# Altium PCB LimeSDR-PCIe_1v3.PcbDoc (part 7 of 10) (continued)
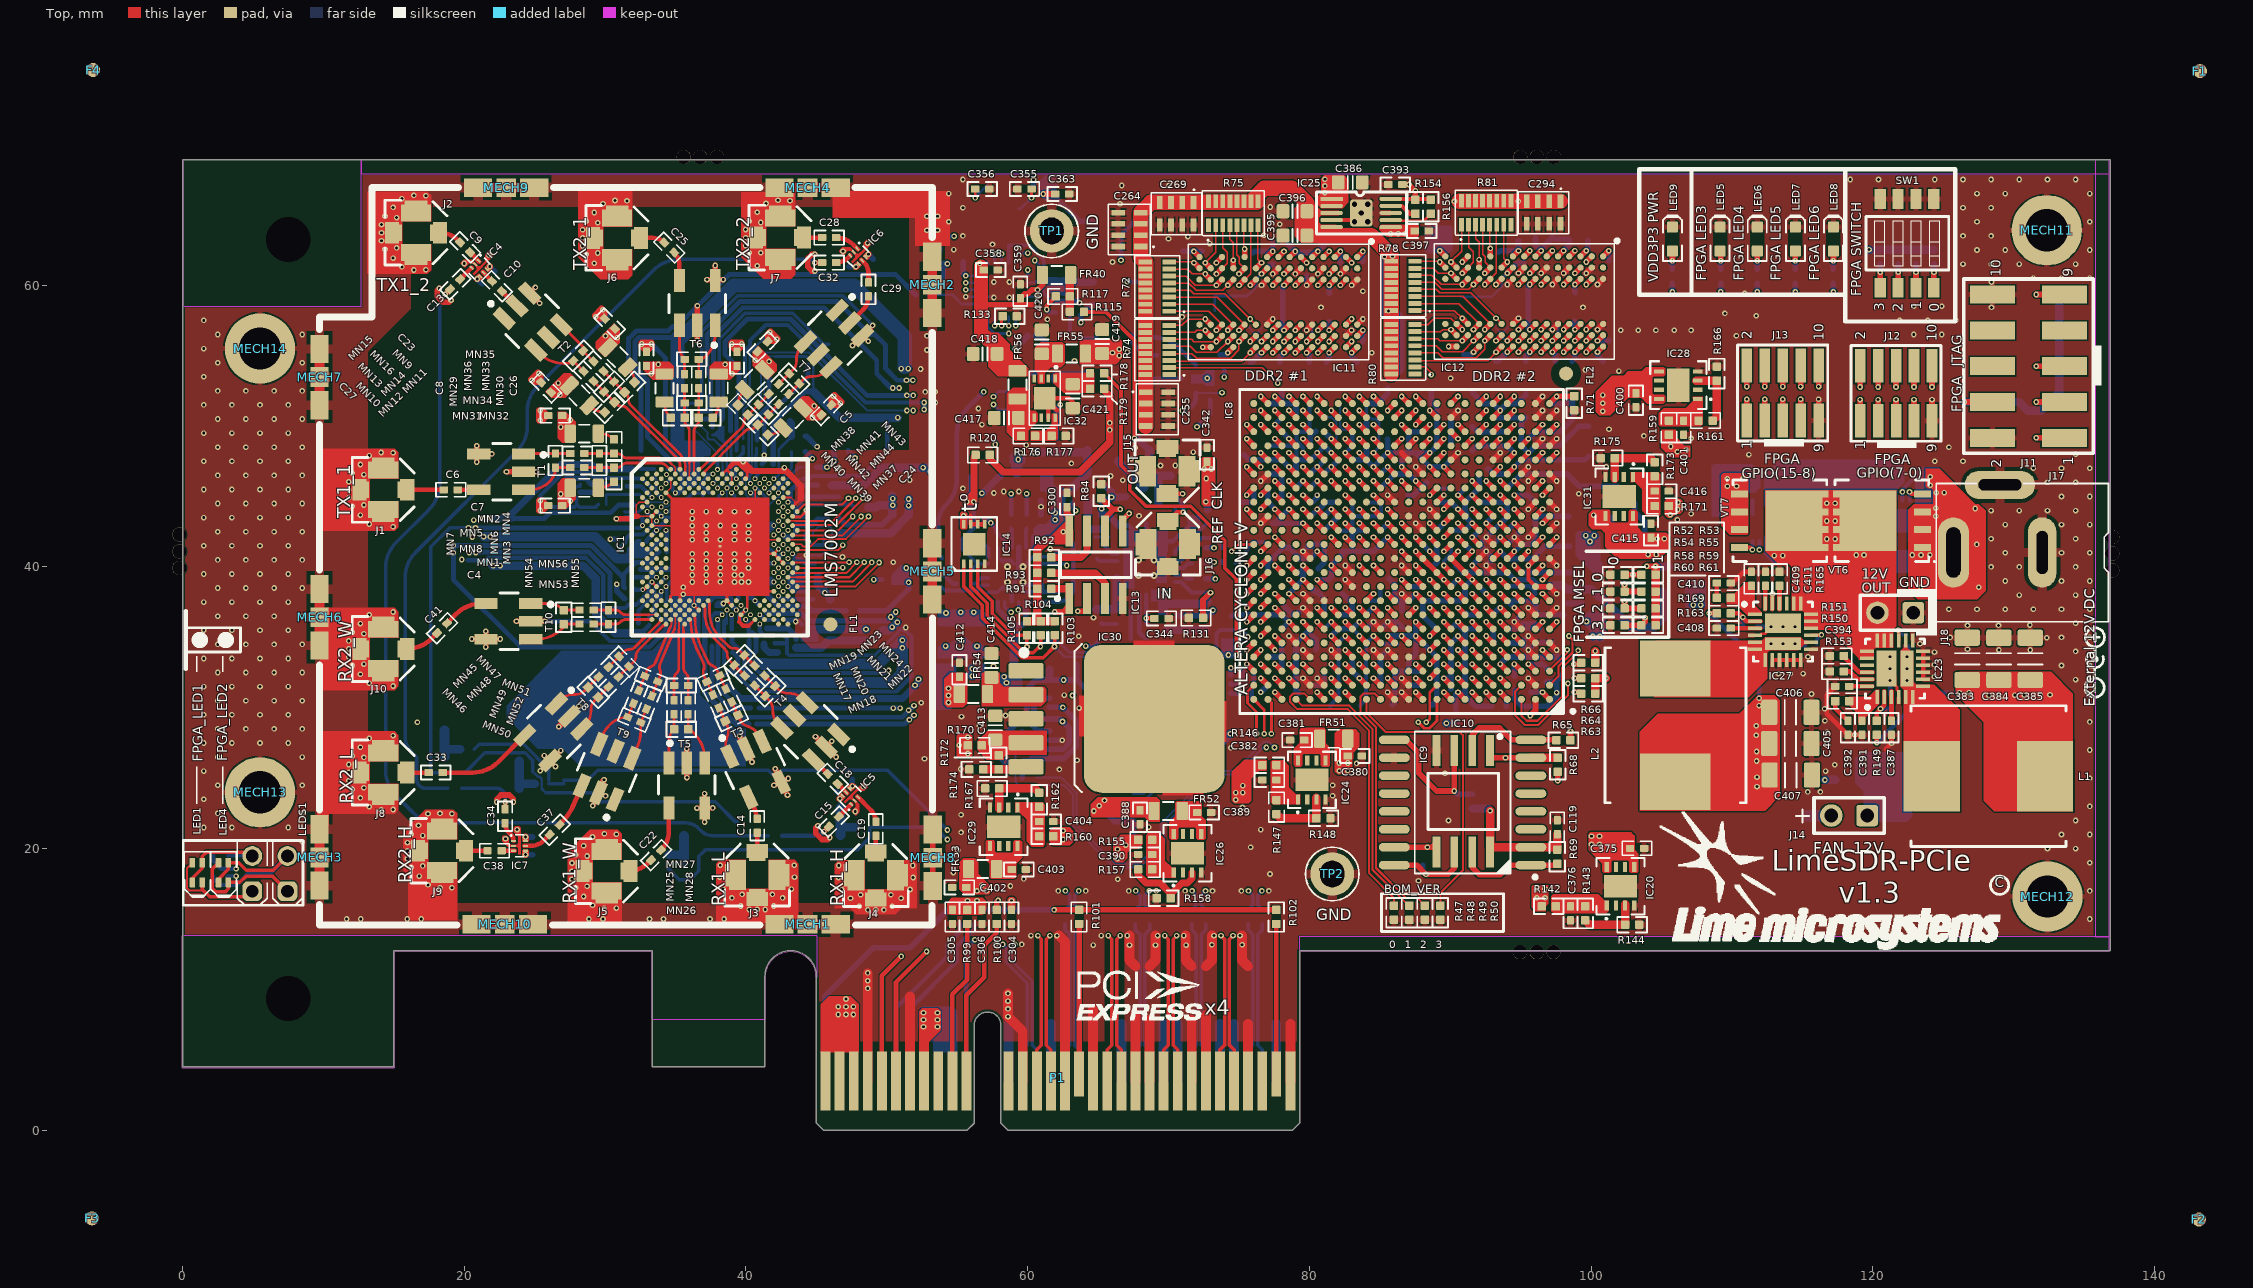
[diagram p0: Top view]
## Nets (pads, with @x,y where several pads share a name; then routed paths per layer and width w, separated by ;. In a path a pad name is that pad's centre, name@x,y a point inside that pad or via, vN(x,y) a via of type N, cw(c..) or ccw(c..) an arc to the next point about the centre after c; other vN are vias at no path point) (continued)
REF_ADF: C337.2 IC16.13 | length 6.5
  Bottom w0.325: IC16.13@60.375,37.537 62.212,37.537 ccw(c62.212,38.575) 63.25,38.575 C337.2@63.25,41.625
REF_CLK_IN: C347.1 J16.1 R109.1 | length 11.8
  Top w0.325: J16.1@70.2,43.225 J16.1@69.95,43.225 70.6,43.875 v1(71.05,43.875)
  L10 w0.1: v1(71.05,43.875) ccw(c69.722,45.203) 71.6,45.203 71.6,46.486 cw(c72.539,46.486) 71.875,47.15 ccw(c71.332,47.693) 72.1,47.693 72.1,49.875 v1(72.025,49.95)
  Bottom w0.325: C347.1@70.4,45.15 70.4,45.125 C347.1@70.626,44.899 ; C347.1@70.626,44.899 cw(c69.601,43.875) v1(71.05,43.875) ; v1(72.025,49.95) 72.95,50.875 R109.1@72.95,51.875
REF_CLK_OUT: IC16.17 R122.2 R126.1 | length 32.4
  L10 w0.1: v1(54.3,61.525) 54.3,48.29 ccw(c56.84,48.29) 56.84,45.75 59.831,45.75 cw(c59.831,44.981) 60.6,44.981 60.6,42.859 cw(c58.104,42.859) 59.869,41.094 ccw(c61.665,39.298) 59.125,39.298 59.125,37.499 cw(c58.101,37.499) v1(58.825,36.775)
  Bottom w0.25: IC16.17@58.375,37.537 58.375,37.151 58.751,36.775 v1(58.825,36.775)
  Bottom w0.325: R126.1@54.025,60.325 54.025,61.25 v1(54.3,61.525)
RXPLL_CLK: C316.2 IC1.AM24 R113.1 | length 24.6
  L10 w0.1: v2(40.313,36.604) 40.784,37.074 cw(c41.691,36.167) 41.691,37.45 47.073,37.45 ccw(c47.073,39.99) 48.869,38.194 50.625,39.95 cw(c52.255,38.32) 52.255,40.625 54.873,40.625 ccw(c54.873,43.165) 56.669,41.369 59.518,44.218 ccw(c58.537,45.2) v1(59.925,45.2)
  Bottom w0.325: R113.1@59.925,43.712 59.925,44.762 v1(59.925,45.2)
RXRF1_HAB_N: IC1.AJ15 MN23.1 MN24.2 | length 6.1
  Top w0.2: IC1.AJ15@37.316,37.603 cw(c37.075,37.361) 37.416,37.361 37.416,36.87 37.416,36.786 ccw(c39.981,36.786) 38.167,34.973 38.767,34.373 ccw(c39.126,34.732) 39.126,34.224 39.172,34.224 cw(c39.172,33.716) 39.531,34.075 MN23.1@39.88,33.727 MN24.2@40.622,32.985
RXRF1_HAB_P: IC1.AK14 MN21.2 MN23.2 | length 6
  Top w0.2: IC1.AK14@36.983,37.27 cw(c36.742,37.028) 37.083,37.028 37.083,36.853 37.083,36.77 ccw(c39.964,36.77) 37.927,34.732 38.527,34.132 cw(c38.168,33.773) 38.676,33.773 38.676,33.727 ccw(c39.184,33.727) 38.824,33.368 MN23.2@39.172,33.02 MN21.2@39.915,32.278
RXRF1_HBB_N: MN22.1 MN24.1 T4.6 | length 3.7
  Top w0.2: MN24.1@41.329,32.278 MN22.1@42.072,31.535 42.097,31.51 42.319,31.288 ccw(c42.942,31.911) 42.942,31.03 43.035,31.03 cw(c43.035,29.506) 44.112,30.583 T4.6@44.32,30.376
RXRF1_HBB_P: MN21.1 MN22.2 T4.4 | length 3.7
  Top w0.2: MN21.1@40.622,31.571 40.905,31.288 MN22.2@41.364,30.828 ; MN22.2@41.389,30.803 41.637,30.556 cw(c41.014,29.933) 41.895,29.933 41.895,29.84 ccw(c43.419,29.84) 42.341,28.762 T4.4@42.549,28.555
RXRF1_LAB_N: IC1.AM12 MN19.1 MN20.2 | length 5.8
  Top w0.2: IC1.AM12@36.29,36.548 cw(c36.048,36.306) 36.39,36.306 ccw(c41.393,36.327) 36.795,34.354 37.288,33.297 ; 37.301,33.269 ccw(c37.762,33.483) 37.588,33.006 37.631,32.99 cw(c37.457,32.513) 37.918,32.728 38.126,32.281 MN20.2@38.57,31.33
RXRF1_LAB_P: IC1.AN11 MN17.2 MN19.2 | length 5.7
  Top w0.2: IC1.AN11@35.984,36.271 cw(c35.743,36.029) 36.084,36.029 ccw(c41.085,36.184) 36.487,34.21 36.993,33.125 cw(c36.533,32.91) 37.01,32.736 36.995,32.693 ccw(c37.472,32.52) 37.012,32.305 37.22,31.859 MN17.2@37.663,30.907
RXRF1_LBB_N: MN18.1 MN20.1 T3.3 | length 3.7
  Top w0.2: MN20.1@38.992,30.423 MN18.1@39.436,29.472 39.584,29.155 ccw(c40.383,29.527) 40.081,28.699 ; 40.081,28.699 40.168,28.667 cw(c39.647,27.235) 41.028,27.879 T3.3@41.152,27.613
RXRF1_LBB_P: MN17.1 MN18.2 T3.1 | length 3.7
  Top w0.2: MN17.1@38.086,30.001 38.255,29.638 MN18.2@38.53,29.049 38.678,28.732 cw(c37.879,28.36) 38.707,28.058 38.632,27.851 ccw(c39.773,27.435) 38.672,26.922 T3.1@38.85,26.54
RXRF1_WAB_N: IC1.AP10 MN27.2 MN28.2 | length 5.5
  Top w0.16: 35.569,35.508 ccw(c35.501,35.508) 35.549,35.556 35.549,35.691 cw(c35.897,35.691) IC1.AP10@35.651,35.938
  Top w0.2: 35.569,35.508 35.569,32.826 ccw(c36.077,32.826) 35.718,32.466 35.75,32.434 cw(c35.391,32.075) 35.899,32.075 MN27.2@35.899,31.583 MN28.2@35.899,30.533
RXRF1_WAB_P: IC1.AN9 MN25.2 MN27.1 | length 5.9
  Top w0.14: 35.249,35.806 35.249,36.104 cw(c35.485,36.104) IC1.AN9@35.318,36.271
  Top w0.16: 35.229,35.504 cw(c35.297,35.504) 35.249,35.552 35.249,35.806
  Top w0.2: MN25.2@34.899,30.533 MN27.1@34.899,31.583 34.899,32.075 cw(c35.407,32.075) 35.048,32.434 35.08,32.466 ccw(c34.721,32.826) 35.229,32.826 35.229,35.504
RXRF1_WBB_N: MN26.1 MN28.1 T5.3 | length 3.9
  Top w0.2: MN28.1@35.899,29.533 MN26.1@35.899,28.483 cw(c35.899,28.199) 36.099,28.4 36.325,28.174 cw(c34.529,26.378) 37.069,26.378 T5.3@37.069,26.073
RXRF1_WBB_P: MN25.1 MN26.2 T5.1 | length 3.6
  Top w0.2: T5.1@34.529,26.073 34.529,27.589 cw(c35.792,27.589) MN26.2@34.899,28.483 MN25.1@34.899,29.533
RXRF2_HAB_N: IC1.AM8 MN51.1 MN52.2 | length 6.1
  Top w0.11: 34.985,36.008 IC1.AM8@34.985,36.604
  Top w0.15: 34.886,35.56 ccw(c33.926,36.008) 34.985,36.008
  Top w0.2: MN52.2@33.315,30.843 MN51.1@33.736,31.859 33.905,32.268 ccw(c33.436,32.462) 33.905,32.657 33.888,32.699 cw(c34.357,32.894) 33.888,33.088 ; 33.873,33.051 34.817,35.33 ; 34.81,35.326 34.904,35.529
RXRF2_HAB_P: IC1.AN7 MN49.2 MN51.2 | length 5.6
  Top w0.14: IC1.AN7@34.652,36.271 cw(c34.488,36.106) 34.72,36.106
  Top w0.15: 34.644,35.709 ccw(c33.908,36.052) 34.72,36.052 34.72,36.106
  Top w0.2: MN49.2@32.391,31.226 MN51.2@32.812,32.242 32.981,32.651 cw(c33.451,32.456) 33.256,32.926 33.299,32.943 ccw(c33.104,33.413) 33.574,33.218 34.506,35.469 ; 34.505,35.479 34.599,35.681
RXRF2_HBB_N: MN50.1 MN52.1 T9.6 | length 3.7
  Top w0.2: T9.6@31.787,26.526 ccw(c29.99,28.322) 32.53,28.322 MN50.1@32.53,28.949 MN52.1@32.932,29.919
RXRF2_HBB_P: MN49.1 MN50.2 T9.4 | length 4.5
  Top w0.2: T9.4@29.577,26.989 cw(c32.117,26.989) 30.321,28.786 30.345,28.809 cw(c31.607,27.547) MN50.2@31.607,29.332 31.855,29.932 MN49.1@32.008,30.302
RXRF2_LAB_N: IC1.AP6 MN47.1 MN48.2 | length 5.1
  Top w0.2: MN48.2@30.954,32.199 31.697,32.941 32.045,33.289 ccw(c31.685,33.648) 32.193,33.648 32.193,33.694 cw(c32.701,33.694) 32.342,34.053 34.126,35.838 ccw(c34.126,36.061) 34.284,35.903 IC1.AP6@34.319,35.938
RXRF2_LAB_P: IC1.AN5 MN45.2 MN47.2 | length 5.1
  Top w0.2: MN45.2@30.247,32.906 30.989,33.648 31.338,33.996 cw(c31.697,33.637) 31.697,34.145 31.743,34.145 ccw(c31.743,34.653) 32.102,34.294 33.886,36.078 cw(c34.11,36.078) 33.951,36.236 IC1.AN5@33.986,36.271
RXRF2_LBB_N: MN46.1 MN48.1 T8.3 | length 3.7
  Top w0.2: T8.3@28.345,28.5 28.553,28.708 ccw(c27.475,29.786) 28.999,29.786 28.999,29.878 cw(c29.88,29.878) 29.257,30.502 29.479,30.724 MN46.1@29.505,30.749 MN48.1@30.247,31.492
RXRF2_LBB_P: MN45.1 MN46.2 T8.1 | length 3.7
  Top w0.2: T8.1@26.549,30.297 26.757,30.504 cw(c27.834,29.427) 27.834,30.951 27.927,30.951 ccw(c27.927,31.832) 28.55,31.209 MN46.2@28.797,31.456 29.257,31.916 MN45.1@29.54,32.199
RXRF2_WAB_N: IC1.AM4 MN55.2 MN56.2 | length 4.6
  Top w0.11: 33.099,36.604 IC1.AM4@33.653,36.604
  Top w0.2: MN56.2@29.181,36.937 MN55.2@30.231,36.937 30.723,36.937 cw(c30.723,36.429) 31.082,36.788 31.115,36.756 ccw(c31.474,37.115) 31.474,36.607 32.948,36.607 32.952,36.604 33.099,36.604
RXRF2_WAB_P: IC1.AN3 MN53.2 MN55.1 | length 4.2
  Top w0.2: MN53.2@29.181,35.937 MN55.1@30.231,35.937 30.723,35.937 ccw(c30.723,36.445) 31.082,36.086 31.115,36.118 cw(c31.474,35.759) 31.474,36.267 32.952,36.267 32.956,36.271 IC1.AN3@33.32,36.271
RXRF2_WBB_N: MN54.1 MN56.1 T10.1 | length 3.5
  Top w0.2: T10.1@24.721,37.407 25.924,37.407 cw(c25.924,35.785) MN54.1@27.071,36.932 ; MN54.1@27.131,36.937 27.781,36.937 MN56.1@28.181,36.937
RXRF2_WBB_P: MN53.1 MN54.2 T10.3 | length 3.8
  Top w0.2: T10.3@24.721,34.867 25.14,34.867 ccw(c25.14,37.407) 26.936,35.611 26.939,35.614 ccw(c26.621,35.932) MN54.2@27.071,35.932 ; MN54.2@27.131,35.937 MN53.1@28.181,35.937
SI5351_XTAL_N: C356.2 IC19.2 XT1.3 | length 13.8
  Top w0.2: v1(56.275,66.2) C356.2@56.275,66.825
  L5 w0.1: v1(56.275,66.2) 57.7,66.2 58.175,65.725 58.175,63 58.509,62.666 58.55,62.625 58.55,61.825 59.134,61.241 59.134,58.791 58.8,58.458 58.8,57.275 v1(58.65,57.125)
  Bottom w0.2: v1(56.275,66.2) 56.275,66.25 XT1.3@57.15,67.125 ; v1(58.65,57.125) IC19.2@58.65,57.75
SI5351_XTAL_P: C355.2 IC19.1 XT1.1 | length 13.8
  Top w0.2: v1(60.275,66.2) C355.2@60.275,66.825
  L5 w0.1: v1(59.15,57.125) 59,57.275 59,58.375 59.334,58.709 59.334,61.324 58.75,61.908 58.75,62.708 58.375,63.083 58.375,65.725 58.85,66.2 v1(60.275,66.2)
  Bottom w0.2: v1(59.15,57.125) IC19.1@59.15,57.75 ; XT1.1@59.35,65.425 59.5,65.425 v1(60.275,66.2)
SI_CLK0: IC8.L21 IC19.13 | length 33.5
  Top w0.4: v1(76.55,40.1) IC8.L21@77.05,40.6
  L3 w0.1: v1(67.075,55.275) 67.075,54.927 ccw(c69.615,54.927) 67.819,53.131 73.856,47.094 cw(c72.06,45.298) 74.6,45.298 74.6,43.102 ccw(c77.14,43.102) 75.344,41.306 v1(76.55,40.1)
  L10 w0.1: v1(58.15,62.225) 58.824,61.551 cw(c57.373,60.1) 59.425,60.1 59.425,58.877 ccw(c61.965,58.877) 60.169,57.081 60.656,56.594 ccw(c62.452,58.39) 62.452,55.85 66.5,55.85 cw(c66.5,55.275) v1(67.075,55.275)
  Bottom w0.2: IC19.13@58.15,61.6 v1(58.15,62.225)
SI_CLK1: IC8.L22 IC19.12 | length 40.9
  Top w0.4: v1(75.55,40.1) IC8.L22@76.05,40.6
  L10 w0.1: v1(57.65,62.225) 57.49,62.225 ccw(c57.49,59.685) 54.95,59.685 54.95,48.759 ccw(c57.446,48.759) 55.681,46.994 ccw(c57.477,48.79) 57.477,46.25 59.573,46.25 cw(c59.573,43.71) 61.369,45.506 64.056,42.819 ccw(c65.852,44.615) 65.852,42.075 73.098,42.075 cw(c73.098,39.535) 74.894,41.331 75.143,41.082 cw(c74.162,40.1) v1(75.55,40.1)
  Bottom w0.2: IC19.12@57.65,61.6 v1(57.65,62.225)
SI_CLK2: IC8.J10 IC19.9 | length 51.3
  Top w0.4: v1(87.55,39.1) IC8.J10@88.05,38.6
  L10 w0.1: v1@55.6,60.17 cw(c55.6,59.82) 55.95,59.82 55.95,49.115 ccw(c58.34,49.115) 58.34,46.725 60.598,46.725 cw(c60.598,44.185) 62.394,45.981 65.131,43.244 ccw(c66.565,44.678) 66.565,42.65 84.75,42.65 ccw(c84.75,44.702) 86.201,43.251 86.425,43.475 cw(c86.666,43.234) 86.666,43.575 86.775,43.575 cw(c86.775,43.25) 87.1,43.25 87.1,40.186 ccw(c88.636,40.186) v1(87.55,39.1)
  Bottom w0.2: v1(55.6,60.175) IC19.9@56.225,60.175
SI_CLK3: IC8.N11 IC19.8 | length 46.8
  Top w0.4: v1(86.55,43.1) IC8.N11@87.05,42.6
  L10 w0.1: v1(55.6,59.675) ccw(c55.6,59.434) 55.429,59.604 55.35,59.525 ccw(c55.652,59.223) 55.225,59.223 55.225,48.865 ccw(c57.59,48.865) 57.59,46.5 60.398,46.5 cw(c60.398,43.96) 62.194,45.756 64.906,43.044 ccw(c66.461,44.599) 66.461,42.4 85.631,42.4 ccw(c85.631,43.314) 86.278,42.668 86.437,42.827 ccw(c86.163,43.1) v1(86.55,43.1)
  Bottom w0.2: v1(55.6,59.675) IC19.8@56.225,59.675
SI_CLK4: IC19.19 R114.2 | length 35.2
  L10 w0.1: v1(57.7,48.7) 57.823,48.577 ccw(c58.25,49.004) 58.25,48.4 58.327,48.4 ccw(c58.327,49.603) 59.177,48.752 60.781,50.356 cw(c62.577,48.56) 62.577,51.1 v1(70.975,51.1) ; v1(60.7,59.175) 61.648,59.175 cw(c61.648,56.635) 63.444,58.431 64.331,57.544 ccw(c66.127,59.34) 66.127,56.8 69.648,56.8 cw(c69.648,54.26) 71.444,56.056 72.966,54.534 cw(c71.616,53.184) 73.525,53.184 73.525,53.039 ccw(c74.464,53.039) v1(73.8,52.375)
  Bottom w0.15: R114.2@71.925,52.35 73.74,52.35 ccw(c73.74,52.435) v1(73.8,52.375)
  Bottom w0.2: IC19.19@60.075,59.175 v1(60.7,59.175)
  Bottom w0.325: v1(57.7,48.7) 57.7,49 ; v1(70.975,51.1) ccw(c70.975,52.05) 71.925,52.05 R114.2@71.925,52.35
SI_CLK5: IC8.A9 IC19.17 | length 73.2
  Top w0.2: v1(87.725,28.975) 88.15,28.55 88.525,28.55 89.05,29.075 IC8.A9@89.05,30.6
  L10 w0.1: v1(60.5,61.75) cw(c60.5,59.517) 62.079,61.096 65.306,57.869 ccw(c67.102,59.665) 67.102,57.125 70.423,57.125 cw(c70.423,54.585) 72.219,56.381 74.256,54.344 cw(c72.46,52.548) 75,52.548 75,52.177 ccw(c77.54,52.177) 75.744,50.381 76.177,49.948 ccw(c77.5,51.271) 77.5,49.4 94.351,49.4 cw(c94.351,48.376) 95.075,49.1 95.487,48.688 cw(c94.25,47.45) 96,47.45 96,31.774 cw(c94.976,31.774) 95.7,31.05 95.244,30.594 cw(c93.448,32.39) 93.448,29.85 89.652,29.85 ccw(c89.652,27.31) 87.856,29.106 v1(87.725,28.975)
  Bottom w0.2: IC19.17@60.075,60.175 60.525,60.175 60.8,60.45 60.8,61.45 v1(60.5,61.75)
SI_CLK6: IC8.M22 IC19.16 | length 45.1
  Top w0.2: v1(74.475,41.1) 74.975,41.6 IC8.M22@76.05,41.6
  L10 w0.1: v1@59.975,61.1 58.068,63.007 ccw(c57.24,62.179) 57.24,63.35 ccw(c57.24,60.81) 54.7,60.81 54.7,48.515 ccw(c57.24,48.515) 57.24,45.975 59.784,45.975 cw(c59.784,44.609) 60.749,45.576 63.856,42.469 ccw(c65.652,44.265) 65.652,41.725 72.966,41.725 cw(c72.966,39.591) v1(74.475,41.1)
  Bottom w0.25: v1(60,61.075) 60,60.75 IC19.16@60.075,60.675
SI_CLK7: IC8.AB12 IC19.15 | length 32.5
  Top w0.4: v1(85.55,51.1) IC8.AB12@86.05,51.6
  L10 w0.1: v1(60,62.275) 60.198,62.275 cw(c60.198,59.735) 61.994,61.531 65.381,58.144 ccw(c67.177,59.94) 67.177,57.4 70.473,57.4 cw(c70.473,54.86) 72.269,56.656 74.593,54.332 cw(c72.886,52.625) 75.3,52.625 ccw(c76.425,52.625) 76.425,51.5 84.584,51.5 cw(c84.584,50.134) v1(85.55,51.1)
  Bottom w0.2: IC19.15@59.15,61.6 59.15,62 59.425,62.275 v1(60,62.275)
TCXO_VC: R118.1 R121.1 R129.2 XO1.1 XO2.1 | length 33
  L3 w0.3: v1(60.475,48.125) 64.925,43.675 65.382,43.675 68.375,40.682 68.375,38.964 72.314,35.025 v1(75.625,35.025)
  Bottom w0.3: R121.1@72.761,33.36 73.4,33.999 73.4,35.275 73.65,35.525 75.15,35.525 v1@75.625,35.05
  Bottom w0.6: v1(60.475,48.125) XO1.1@64.05,48.125 ; R129.2@63.165,45.582 64.225,46.643 XO1.1@64.225,48.3
TX1_2_LB_H: C11.2 C21.2 IC4.4 IC5.6 IC8.A21 | length 115.8
  Top w0.2: IC8.A21@77.05,30.6 77.3,30.35 v1(77.3,28.15)
  L8 w0.1: v1(20.925,60.441) 20.925,59.5 17.75,56.325 17.75,30.842 20.617,27.975 20.617,22.23 23.822,19.025 25.55,19.025 28.425,21.9 29.999,21.9 32.124,24.025 36.491,24.025 36.741,24.275 38.983,24.275 39.633,24.925 40.35,24.925 42.175,23.1 46.216,23.1 v1(46.668,23.552) 49.968,23.552 54.895,18.625 59.8,18.625 60.225,18.2 72.875,18.2 77.225,22.55 77.225,25.891 76.575,26.541 76.575,27.425 v1(77.3,28.15)
  Bottom w0.4: v1(20.925,60.441) C11.2@21.275,60.091 ; C21.2@46.45,24.025 46.668,23.807 v1(46.668,23.552)
TX1_2_LB_L: C12.2 C20.2 IC4.6 IC5.4 IC8.A22 | length 116.9
  Top w0.2: IC8.A22@76.05,30.6 76.8,29.85 v1(76.8,28.15)
  L8 w0.1: v1(21.809,61.325) 21.275,60.791 21.275,59.567 17.95,56.242 17.95,30.925 20.3,28.575 20.817,28.058 20.817,22.313 23.905,19.225 25.467,19.225 28.342,22.1 29.916,22.1 32.041,24.225 36.408,24.225 36.658,24.475 38.9,24.475 39.55,25.125 40.433,25.125 42.258,23.3 45.9,23.3 46.502,23.902 46.813,23.902 46.815,23.9 47.016,23.9 v1(47.552,24.436) 48.236,23.752 50.051,23.752 54.978,18.825 59.883,18.825 60.308,18.4 72.792,18.4 77.025,22.633 77.025,25.808 76.375,26.458 76.375,27.525 76.8,27.95 v1(76.8,28.15)
  Bottom w0.4: v1(21.809,61.325) C12.2@22.159,60.975 ; v1(47.552,24.436) C20.2@47.552,24.931
TX1_2_LB_SH: C16.1 C17.1 IC8.B20 R15.2 R16.1 | length 59.6
  Top w0.4: v1(77.55,32.1) IC8.B20@78.05,31.6
  L8 w0.1: v1(54.3,20.65) 54.55,20.4 56.4,20.4 57.375,19.425 60.131,19.425 60.556,19 72.544,19 76.425,22.881 76.425,25.559 75.7,26.284 75.7,31.775 76.375,32.45 76.695,32.45 77.045,32.1 v1(77.55,32.1)
  Bottom w0.254: R15.2@34.499,18.556 35.255,17.8 C16.1@35.55,17.8 36.025,17.8 36.65,18.425 36.65,19.45 36.999,19.799 36.999,19.802 37.132,19.934 47.934,19.934 48.803,20.803 R16.1@48.803,21.523 53.427,21.523 v1(54.3,20.65)
TX2_2_LB_H: C30.2 C40.2 IC6.4 IC7.6 IC8.B21 | length 137.3
  Top w0.4: v1(76.55,32.1) IC8.B21@77.05,31.6
  L8 w0.1: v1(47.806,61.311) 47.361,61.311 44.945,58.895 26.82,58.895 18.35,50.425 18.35,31.108 21.217,28.241 21.217,23.358 23.75,20.825 v1(24.35,20.825) 26.45,20.825 28.125,22.5 29.75,22.5 31.875,24.625 36.242,24.625 36.492,24.875 38.734,24.875 39.384,25.525 40.733,25.525 41.158,25.1 42.168,25.1 42.768,24.5 45.067,24.5 45.867,25.3 49.068,25.3 55.143,19.225 60.049,19.225 60.474,18.8 72.626,18.8 76.625,22.799 76.625,25.642 75.9,26.367 75.9,31.45 v1(76.55,32.1)
  Bottom w0.4: v1(24.35,20.825) C40.2@24.845,20.825 ; C30.2@47.311,61.311 v1(47.806,61.311)
TX2_2_LB_L: C31.2 C39.2 IC6.6 IC7.4 IC8.B22 | length 139.5
  Top w0.2: IC8.B22@76.05,31.6 75.6,31.15 75.6,30.35 76.25,29.7 v1(76.25,28.15)
  L8 w0.1: v1(48.689,62.194) 47.962,62.194 44.862,59.095 26.737,59.095 18.15,50.508 18.15,31.025 20.675,28.5 20.675,28.483 21.017,28.141 21.017,23.275 24.35,19.942 v1(24.35,19.575) 25.483,19.575 28.208,22.3 29.833,22.3 31.958,24.425 36.325,24.425 36.575,24.675 38.817,24.675 39.467,25.325 40.65,25.325 41.075,24.9 42.085,24.9 42.685,24.3 45.15,24.3 45.95,25.1 48.986,25.1 55.061,19.025 59.966,19.025 60.391,18.6 72.709,18.6 76.825,22.716 76.825,25.725 76.175,26.375 76.175,28.075 v1(76.25,28.15)
  Bottom w0.4: v1(24.35,19.575) C39.2@24.845,19.575 ; v1(48.689,62.194) C31.2@49.039,61.844
TX2_2_LB_SH: C35.1 C36.1 IC8.C22 R18.1 R19.2 | length 73.5
  Top w0.4: v1(75.55,33.1) IC8.C22@76.05,32.6
  L8 w0.1: v1(54.3,21.325) 54.3,21.145 54.845,20.6 56.483,20.6 57.458,19.625 60.214,19.625 60.639,19.2 65.775,19.2 66.125,19.55 66.65,19.55 67,19.2 72.461,19.2 76.225,22.964 76.225,25.476 75.692,26.009 75.5,26.201 75.5,31.858 75.575,31.933 75.575,33.075 v1(75.55,33.1)
  Bottom w0.254: R19.2@20.702,27.048 21.054,27.4 C36.1@22.1,27.4 24.225,27.4 26.003,25.622 26.003,24.848 R18.1@26.004,24.85 ; R18.1@26.004,24.6 C35.1@27.05,24.6 ; C35.1@27.05,24.85 28.75,24.85 29.475,25.575 41.571,25.575 41.897,25.249 42.251,25.249 42.577,25.575 50.05,25.575 v1(54.3,21.325)
TXPLL_CLK: C315.2 IC1.E5 R110.1 | length 30.5
  L10 w0.1: v2(33.986,45.595) 34.967,44.614 cw(c33.378,43.025) 35.625,43.025 35.625,42.15 ccw(c36.375,42.15) 36.375,41.4 40.686,41.4 ccw(c40.686,42.339) 41.35,41.675 cw(c41.954,41.071) 41.954,41.925 43.467,41.925 ccw(c43.467,42.608) 43.95,42.125 cw(c44.614,41.461) 44.614,42.4 54.973,42.4 ccw(c54.973,44.94) 56.769,43.144 v1(58.825,45.2)
  Bottom w0.325: R110.1@58.825,43.712 v1(58.825,45.2)
TXRF1_1AB_N: IC1.A7 MN3.1 MN6.1 MN8.1 | length 6.4
  Top w0.2: MN8.1@28.53,47.052 29.58,47.052 30.23,47.052 MN3.1@30.63,47.052 30.819,47.052 ccw(c30.819,47.56) 31.178,47.201 31.211,47.234 cw(c31.57,46.874) 31.57,47.382 33.899,47.382 cw(c33.899,46.781) 34.324,47.206 34.569,46.962 34.617,46.962 IC1.A7@34.652,46.927
TXRF1_1AB_P: IC1.B8 MN4.1 MN5.2 MN6.2 | length 7.2
  Top w0.11: 34.757,47.289 34.907,47.139 cw(c34.717,46.95) 34.985,46.95 IC1.B8@34.985,46.594
  Top w0.2: MN5.2@28.53,48.052 29.58,48.052 MN4.1@30.63,48.052 30.819,48.052 cw(c30.819,47.544) 31.178,47.904 31.211,47.871 ccw(c31.57,48.23) 31.57,47.722 33.899,47.722 cw(c33.899,46.781) 34.564,47.447 34.714,47.297
TXRF1_1BB_N: MN7.1 MN8.2 T1.3 | length 4.2
  Top w0.2: T1.3@24.362,45.482 T1.3@24.819,45.482 ; T1.3@24.669,45.482 ccw(c24.669,47.464) 26.07,46.063 ccw(c25.08,47.052) MN7.1@26.48,47.052 MN8.2@27.53,47.052
TXRF1_1BB_P: MN5.1 MN7.2 T1.1 | length 3.5
  Top w0.2: T1.1@24.142,48.052 MN7.2@26.48,48.052 27.13,48.052 MN5.1@27.53,48.052 ; T1.1@24.22,48.022 cw(c24.292,47.95) T1.1@24.292,48.052
TXRF1_2AB_N: IC1.B10 MN11.1 MN14.2 MN16.2 | length 9.6
  Top w0.19: IC1.B10@35.651,46.594 ccw(c35.535,46.71) 35.699,46.71 35.699,47.094
  Top w0.2: MN16.2@29.891,53.887 MN14.2@30.633,53.145 31.093,52.685 31.375,52.402 31.51,52.268 cw(c31.15,51.909) 31.658,51.909 31.658,51.863 ccw(c32.166,51.863) 31.807,51.504 31.92,51.391 35.333,47.978 cw(c34.449,47.094) 35.699,47.094
TXRF1_2AB_P: IC1.A9 MN12.1 MN13.2 MN14.1 | length 9
  Top w0.2: MN13.2@29.183,53.18 MN14.1@29.926,52.438 30.386,51.978 30.802,51.561 ccw(c31.162,51.92) 31.162,51.412 31.207,51.412 cw(c31.207,50.904) 31.567,51.264 35.098,47.732 cw(c34.568,47.202) 35.318,47.202 IC1.A9@35.318,46.927
TXRF1_2BB_N: MN15.1 MN16.1 T2.4 | length 3.5
  Top w0.2: T2.4@26.881,57.185 28.398,55.669 cw(c28.294,55.565) 28.441,55.565 MN15.1@28.441,55.337 MN16.1@29.183,54.594
TXRF1_2BB_P: MN13.1 MN15.2 T2.6 | length 4
  Top w0.2: T2.6@25.085,55.389 25.28,55.195 ccw(c27.076,56.991) 25.293,55.182 ccw(c27.076,56.991) 25.338,55.138 ccw(c27.076,56.991) 27.076,54.451 27.302,54.451 ccw(c27.302,55.062) MN15.2@27.734,54.63 MN13.1@28.476,53.887
TXRF2_1AB_N: IC1.C11 MN31.1 MN34.1 MN36.1 | length 6.5
  Top w0.11: IC1.C11@35.984,46.261 35.984,46.766
  Top w0.14: 35.975,47.516 35.984,47.506 35.984,46.766
  Top w0.2: MN36.1@35.645,52.691 MN34.1@35.645,51.641 35.645,50.991 MN31.1@35.644,50.591 35.644,50.402 ccw(c36.152,50.402) 35.793,50.042 35.826,50.01 cw(c35.467,49.651) 35.975,49.651 35.975,47.516
TXRF2_1AB_P: IC1.B12 MN32.1 MN33.2 MN34.2 | length 6.2
  Top w0.14: 36.315,47.516 36.305,47.506 36.305,46.623 ccw(c36.346,46.623) IC1.B12@36.317,46.594
  Top w0.2: 36.315,47.516 36.315,49.651 cw(c36.823,49.651) 36.463,50.01 36.496,50.042 ccw(c36.137,50.402) 36.645,50.402 MN32.1@36.644,50.591 MN34.2@36.644,51.641 MN33.2@36.645,52.691
TXRF2_1BB_N: MN35.1 MN36.2 T6.3 | length 3.6
  Top w0.2: T6.3@35.274,57.151 35.274,55.634 ccw(c36.538,55.634) MN35.1@35.645,54.741 MN36.2@35.645,53.691
TXRF2_1BB_P: MN33.1 MN35.2 T6.1 | length 4
  Top w0.2: MN33.1@36.645,53.691 36.645,54.091 MN35.2@36.644,54.741 ccw(c36.644,55.451) 37.147,54.949 ccw(c35.534,56.561) 37.814,56.561 T6.1@37.814,57.151
TXRF2_2AB_N: IC1.B14 MN39.1 MN42.2 MN44.2 | length 7.4
  Top w0.2: IC1.B14@36.983,46.594 37.018,46.628 ccw(c36.859,46.786) 37.083,46.786 39.401,49.104 39.948,49.652 cw(c40.308,49.293) 40.308,49.801 40.354,49.801 ccw(c40.354,50.309) 40.713,49.949 MN39.1@40.847,50.083 MN42.2@41.589,50.826 MN44.2@42.332,51.568
TXRF2_2AB_P: IC1.A13 MN40.1 MN41.2 MN42.1 | length 7.4
  Top w0.2: IC1.A13@36.65,46.927 36.685,46.961 cw(c36.843,46.803) 36.843,47.027 39.161,49.345 39.708,49.892 ccw(c39.349,50.251) 39.857,50.251 39.857,50.297 cw(c40.365,50.297) 40.006,50.656 MN40.1@40.14,50.791 40.423,51.073 MN42.1@40.882,51.533 MN41.2@41.625,52.275
TXRF2_2BB_N: MN43.1 MN44.1 T7.4 | length 3.7
  Top w0.2: MN44.1@43.039,52.275 43.322,52.558 MN43.1@43.781,53.018 44.029,53.265 cw(c44.652,52.642) 44.652,53.523 44.745,53.523 ccw(c44.745,55.047) 45.822,53.97 T7.4@46.03,54.178
TXRF2_2BB_P: MN41.1 MN43.2 T7.6 | length 3.7
  Top w0.2: MN41.1@42.332,52.983 MN43.2@43.074,53.725 43.322,53.973 ccw(c42.699,54.596) 43.58,54.595 43.58,54.688 cw(c45.104,54.688) 44.026,55.766 T7.6@44.234,55.974
VCC1P2: C120.2 C121.2 C122.2 C123.2 C124.2 C125.1 C126.1 C213.1 C214.1 C215.1 C216.1 C217.1 C218.1 C219.1 C220.1 C221.1 C222.1 C223.1 C224.1 C225.1 C226.1 C227.1 C235.1 C236.1 C237.1 C238.1 C239.1 C240.1 C241.1 C242.1 C243.1 C244.1 C245.1 C246.1 C247.1 C248.1 C249.1 C250.1 C405.2 C406.2 C407.2 FR36.1 FR37.1 IC8.F7 IC8.G9 IC8.G13 IC8.H6 IC8.J5 IC8.J7 IC8.J9 IC8.J11 IC8.J17 IC8.K6 IC8.K8 IC8.K16 IC8.L5 IC8.L7 IC8.L9 IC8.L11 IC8.L17 IC8.M6 IC8.M10 IC8.M12 IC8.N5 IC8.N9 IC8.N16 IC8.P6 IC8.P8 IC8.P12 IC8.P17 IC8.R7 IC8.T10 IC8.T12 IC8.U16 L2.2 R163.1 | length 97.8
  Top w0.325: v1(108.375,36.7) R163.1@108.925,36.7
  Top w0.4: v1(80.55,39.1) IC8.J17@81.05,38.6 ; v1(80.55,41.1) IC8.L17@81.05,40.6 ; v1(80.55,44.1) IC8.P17@81.05,43.6 ; v1(81.55,40.1) IC8.K16@82.05,39.6 ; v1(81.55,43.1) IC8.N16@82.05,42.6 ; v1(81.55,47.1) IC8.U16@82.05,46.6 ; v1(84.55,37.1) IC8.G13@85.05,36.6 ; v1(85.55,42.1) IC8.M12@86.05,41.6 ; v1(85.55,44.1) IC8.P12@86.05,43.6 ; v1(85.55,46.1) IC8.T12@86.05,45.6 ; v1(86.55,39.1) IC8.J11@87.05,38.6 ; v1(86.55,41.1) IC8.L11@87.05,40.6 ; v1(87.55,42.1) IC8.M10@88.05,41.6 ; v1(87.55,46.1) IC8.T10@88.05,45.6 ; v1(88.55,37.1) IC8.G9@89.05,36.6 ; v1(88.55,39.1) IC8.J9@89.05,38.6 ; v1(88.55,41.1) IC8.L9@89.05,40.6 ; v1(88.55,43.1) IC8.N9@89.05,42.6 ; v1(89.55,40.1) IC8.K8@90.05,39.6 ; v1(89.55,43.1) IC8.P8@90.05,43.6 ; v1(90.55,36.1) IC8.F7@91.05,35.6 ; v1(90.55,39.1) IC8.J7@91.05,38.6 ; v1(90.55,45.1) IC8.R7@91.05,44.6 ; IC8.L7@91.05,40.6 v1(91.55,41.1) ; v1(91.55,38.1) IC8.H6@92.05,37.6 ; v1(91.55,40.1) IC8.K6@92.05,39.6 ; v1(91.55,42.1) IC8.M6@92.05,41.6 ; v1(91.55,44.1) IC8.P6@92.05,43.6 ; v1(92.55,39.1) IC8.J5@93.05,38.6 ; v1(92.55,43.1) IC8.N5@93.05,42.6 ; IC8.L5@93.05,40.6 v1(93.55,41.1)
  L5 w0.4: v1(80.55,44.1) 81.05,44.6 81.05,46.6 v1(81.55,47.1)
  L5 w0.6: v1(80.55,44.1) v1(81.55,43.1) ; v1(85.55,44.1) 86.15,44.7 86.15,45.5 v1(85.55,46.1) ; v1(87.55,46.1) 87.55,44.1 v1(88.55,43.1) ; v1(90.55,45.1) v1(91.55,44.1)
  Bottom w0.3: v1(89.55,40.1) 89.55,40.425 90.05,40.925 C214.1@90.05,41.6
  Bottom w0.325: v1(108.375,36.7) 111.925,33.15 v1(111.925,30.15)
  Bottom w0.4: C241.1@77.025,39.6 77.05,39.625 77.05,40.307 78.118,41.375 78.55,41.375 79.325,40.6 80.042,40.6 80.067,40.625 80.075,40.625 v1(80.55,41.1) ; C227.1@80.05,43.55 80.55,44.05 v1(80.55,44.1) 80.7,44.1 81.2,44.6 C124.2@82.05,44.6 ; v1(80.55,39.1) 81.35,39.1 81.55,39.3 v1(81.55,40.1) 82.35,40.9 C122.2@82.35,41.1 82.375,41.125 84.575,41.125 v1(85.55,42.1) ; C216.1@81.05,46.6 v1(81.55,47.1) ; C217.1@81.075,42.575 81.55,43.05 v1(81.55,43.1) 82.05,43.6 C250.1@82.1,43.6 ; C226.1@82.05,46.6 81.575,47.075 81.575,47.1 C126.1@82.075,47.6 ; C122.2@83.05,41.325 83.05,42.307 83.343,42.6 84.05,42.6 C224.1@84.05,42.55 ; C249.1@84.075,36.65 84.525,37.1 v1(84.55,37.1) 85.05,36.6 C240.1@85.075,36.6 ; C247.1@85.075,45.625 v1(85.55,46.1) 86.05,46.6 87.05,46.6 v1(87.55,46.1) ; v1(85.55,44.1) 86.025,43.625 C213.1@86.125,43.625 ; v1(86.55,39.1) 87.05,38.6 88.074,38.6 C222.1@88.074,38.625 ; v1(86.55,41.1) 87.05,40.6 C239.1@87.075,40.6 ; v1(87.55,42.1) v1(88.55,41.1) ; v1(88.55,37.1) 88.975,36.675 C246.1@88.975,36.625 ; v1(88.55,39.1) C223.1@89.025,38.625 ; v1(88.55,43.1) 89.05,42.6 v1(89.55,43.1) ; C245.1@90.05,35.575 90.05,35.6 v1(90.55,36.1) 90.55,35.882 91.05,35.382 ; C248.1@90.05,38.625 90.525,39.1 v1(90.55,39.1) ; v1(90.55,45.1) 91.025,45.575 C242.1@91.075,45.575 ; C220.1@91.05,41.625 91.05,41.6 v1(91.55,41.1) ; v1(91.55,40.1) C215.1@92.05,40.6 ; v1(91.55,42.1) 91.6,42.1 C238.1@92.075,42.575 ; v1(91.55,44.1) 92.025,43.625 C225.1@92.025,43.6 ; v1@91.575,38.1 C244.1@92.05,37.625 ; C221.1@92.025,35.625 92.025,35.6 91.268,35.6 91.05,35.382 ; v1(92.55,39.1) 92.6,39.1 C125.1@93.075,38.625 ; v1(92.55,43.1) C237.1@93.025,43.575 ; C218.1@92.925,30.1 91.8,30.1 91.05,30.85 91.05,35.382 ; v1(93.55,41.1) 94.05,40.6 95.875,40.6 96.75,41.475 C121.2@98.475,41.475
  other v1: 111.775,24.4 111.775,25.075 111.75,26.225 111.75,26.9 111.725,28.05 111.725,28.725 111.925,30.675 100.125,35.075 100.625,35.075 99.675,36.125 99.925,41.8 99.625,42.225 100.225,42.225
VCC1P2D_FPGA: C127.2 C128.2 C129.2 C130.2 C131.1 C132.1 C207.1 C208.1 C209.1 C210.1 C211.1 C212.1 FR36.2 IC8.E18 IC8.G3 IC8.M4 IC8.R4 IC8.U4 IC8.V18 | length 95.6
  Top w0.4: v1(79.55,35.1) IC8.E18@80.05,34.6 ; v1(79.55,48.1) IC8.V18@80.05,47.6 ; v1(93.55,42.1) IC8.M4@94.05,41.6 ; v1(93.55,45.1) IC8.R4@94.05,44.6 ; IC8.U4@94.05,46.6 v1(94.55,47.1) ; v1(94.55,37.1) IC8.G3@95.05,36.6
  L5 w0.4: v1(93.55,42.1) 93.05,42.6 93.05,44.6 v1(93.55,45.1) 94.05,45.6 94.05,46.6 v1(94.55,47.1)
  L10 w0.4: v1(79.55,35.1) 79.05,35.6 79.05,36.307 78.757,36.6 78.343,36.6 77.05,35.307 77.05,30.893 77.343,30.6 93.757,30.6 95.05,31.893 95.05,36.6 v1(94.55,37.1) 94.55,37.393 95.05,37.893 95.05,46.6 v1(94.55,47.1) 95.05,47.6 95.05,48.307 94.757,48.6 80.05,48.6 v1(79.55,48.1)
  Bottom w0.3: v1(79.55,48.1) 79.55,48.464 79.075,48.939 C212.1@79.075,49.6 79.686,49.6 80,49.914 80,51.5 C210.1@80.075,51.575
  Bottom w0.4: C127.2@79.225,31.05 79.05,31.225 79.05,34.6 v1(79.55,35.1) ; C209.1@80.075,35.625 v1(79.55,35.1) ; C130.2@80.475,34.15 80.475,34.825 79.875,35.425 v1(79.55,35.1) ; C129.2@92.675,46.975 93.05,46.6 94.05,46.6 v1(94.55,47.1) 95.05,47.6 99.575,47.6 C128.2@99.825,47.85 ; C131.1@93.1,41.65 v1(93.55,42.1) ; C132.1@94.075,37.625 C132.1@94.075,37.6 ; v1(94.55,37.1) 94.075,37.575 C132.1@94.075,37.6 ; FR36.2@98.1,36.6 96.343,36.6 96.05,36.893 96.05,37.307 95.757,37.6 95.725,37.6 C132.1@94.075,37.6